# Altium PCB 10515.0461_全联供输出板(2拼版)_V1.0.PcbDoc (part 3 of 9)
Units mm, origin at the board's own origin, x right, y up, seen from the top; angles counter-clockwise.
Board outline 283.88 x 134.8 mm, 2 copper layers (Top Layer, Bottom Layer); 298 components, 0 nets, 1264 pads, 970 vias.
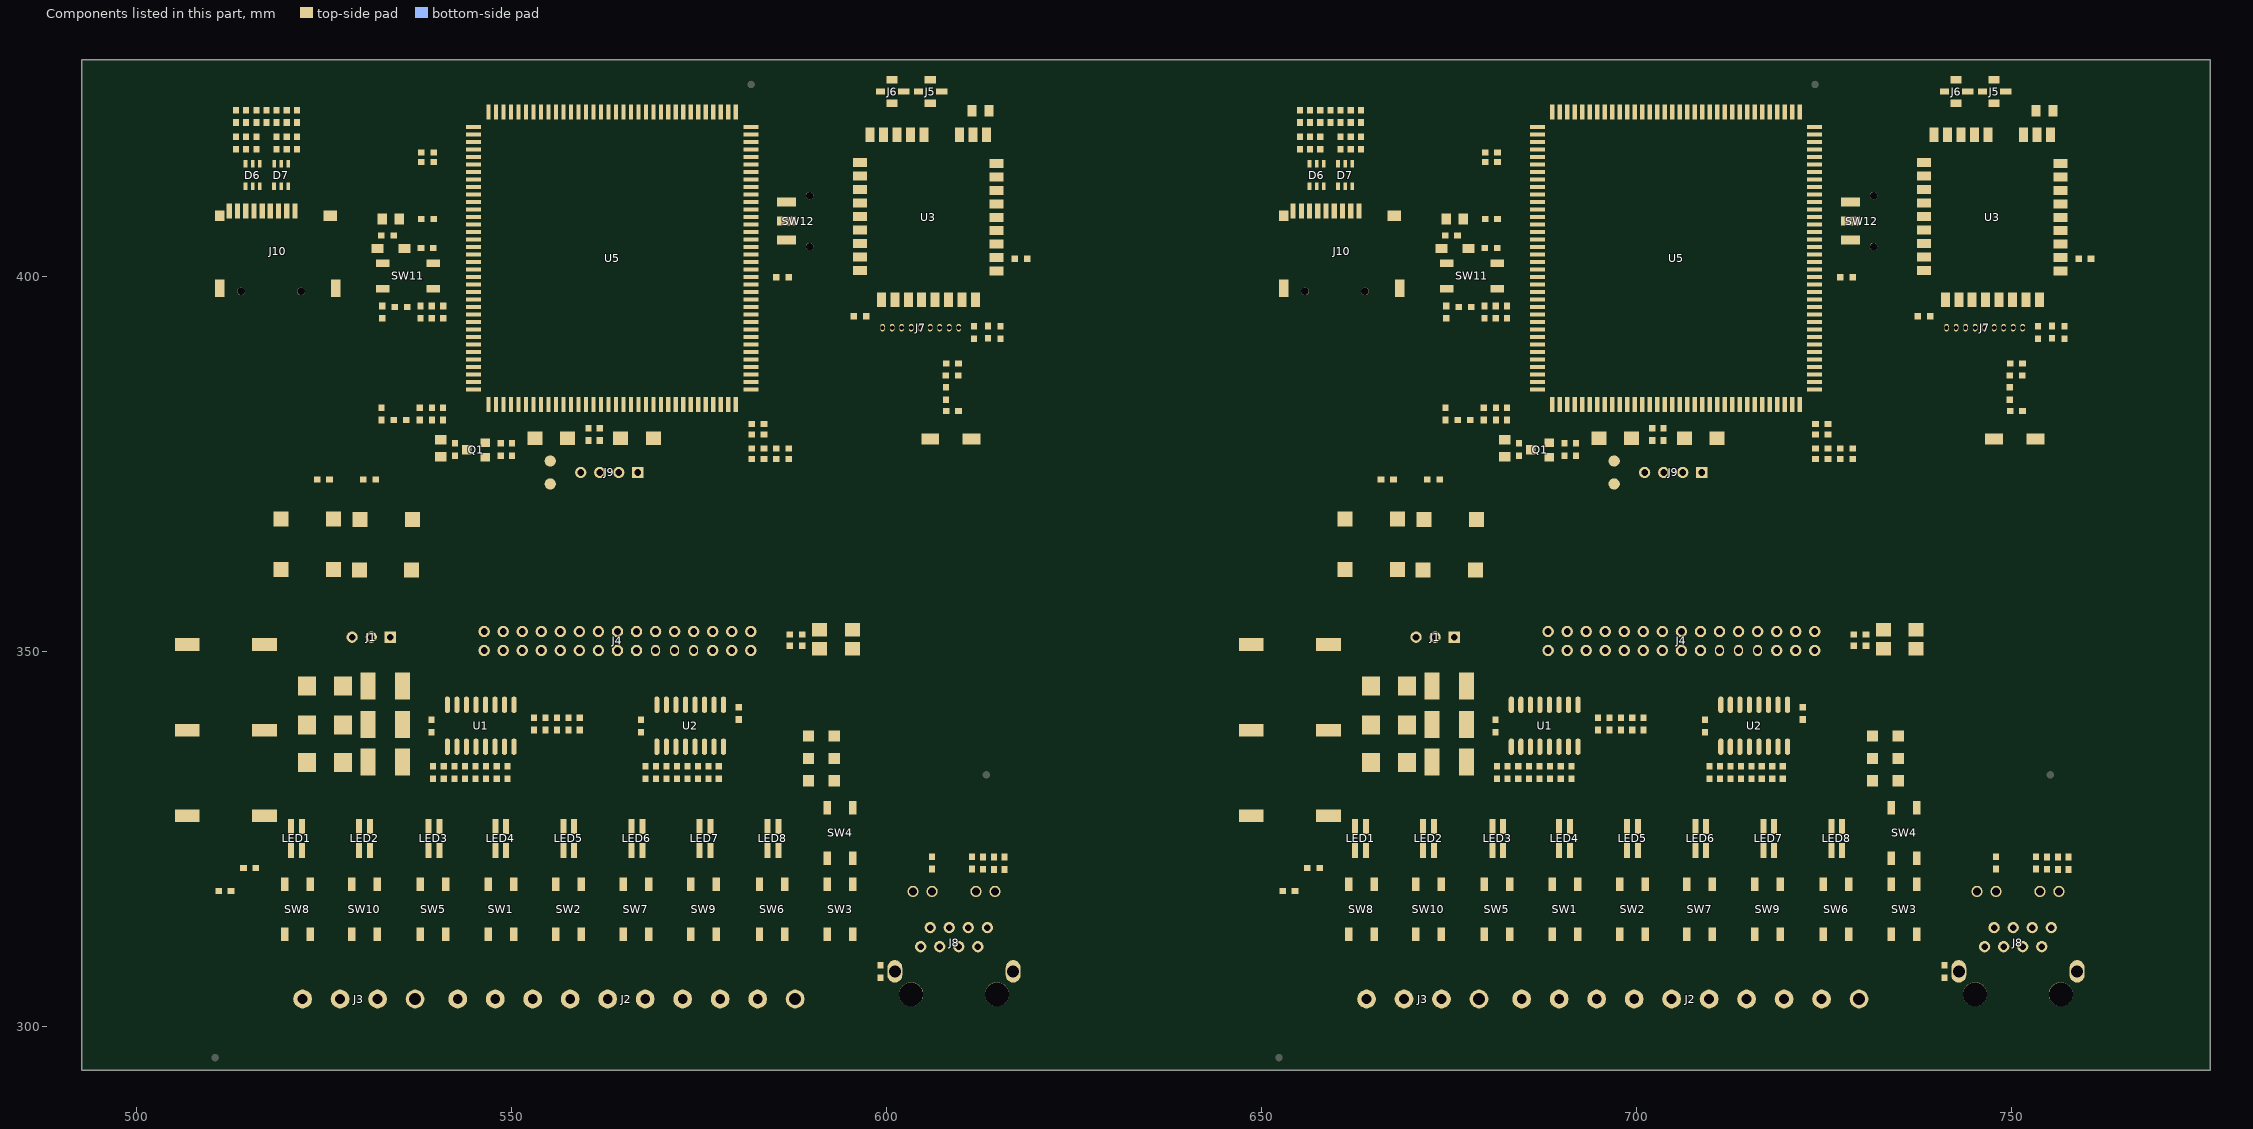
[diagram p3: the components of this part, seen from the top]

## Via types
v1: diameter 0.7, hole 0.4, Top Layer to Bottom Layer, tented both sides, 970 vias

## Nets (pads, with @x,y where several pads share a name; then routed paths per layer and width w, separated by ;. In a path a pad name is that pad's centre, name@x,y a point inside that pad or via, vN(x,y) a via of type N, cw(c..) or ccw(c..) an arc to the next point about the centre after c; other vN are vias at no path point) (continued)
copper on no net: (continued)
  Top Layer w0.3: 599.439,306.456 cw(c599.821,306.391) 599.821,306.779 ; 599.44,393.139 v1@594.868,393.139 ; 599.504,306.779 599.821,306.779 ; 599.597,308.523 ccw(c599.969,308.151) 599.442,308.151 cw(c600.736,308.151) 599.821,309.065 ; 599.849,306.807 cw(c600.486,306.169) 601.109,306.821 ; 599.855,306.496 cw(c600.442,305.908) 600.928,306.582 ; 600.066,307.024 cw(c600.698,306.391) 601.316,307.038 ; 600.226,306.841 cw(c599.821,306.867) 599.821,306.462 ; 600.327,307.285 599.821,306.779 ; 600.416,393.687 cw(c600.067,393.339) 600.56,393.339 ; 600.456,309.383 599.186,308.113 599.186,308.43 600.202,309.446 602.488,309.446 602.742,309.192 608.965,309.192 609.604,309.831 609.604,310.585 ; 600.467,306.19 ccw(c599.821,305.558) 599.821,306.462 ; 600.71,393.139 600.71,393.393 599.44,394.663 ; 600.761,396.202 cw(c599.999,395.437) 601.079,395.437 ; 601.079,396.871 601.079,395.437 ; 601.397,396.202 ccw(c602.159,395.437) 601.079,395.437 ; 601.874,393.445 ccw(c601.618,393.701) 601.98,393.701 ccw(c602.342,393.701) 602.086,393.445 ; 601.98,393.139 601.98,394.536 601.079,395.437 ; 602.554,396.203 cw(c601.785,395.435) 602.872,395.435 cw(c603.958,395.435) 603.19,396.203 ; 602.872,396.871 602.872,395.295 603.25,394.917 603.25,393.139 ; 603.144,393.445 ccw(c602.888,393.701) 603.25,393.701 ccw(c603.612,393.701) 603.356,393.445 ; 604.346,396.203 cw(c603.927,395.784) 604.52,395.784 ; 604.414,393.445 ccw(c604.158,393.701) 604.52,393.701 ccw(c604.882,393.701) 604.626,393.445 ; 604.52,393.139 604.52,396.726 ; 604.52,395.086 cw(c606.1,395.086) 604.983,396.203 ; 604.52,395.81 cw(c605.376,395.81) 604.771,396.415 ; 604.524,310.585 604.524,315.165 605.282,315.923 607.06,315.923 607.568,316.431 v1(607.568,339.418) ; 605.37,313.549 ccw(c604.345,314.574) 605.794,314.574 ccw(c607.243,314.574) 606.218,313.549 ; 605.62,318.379 ccw(c604.595,319.404) 606.044,319.404 ccw(c607.492,319.403) 606.468,318.379 ; 605.684,393.445 ccw(c605.428,393.701) 605.79,393.701 ccw(c606.152,393.701) 605.896,393.445 ; 605.79,393.139 605.79,394.79 606.457,395.457 ; 605.794,313.125 605.794,314.657 606.298,315.161 607.568,315.161 608.33,315.923 v1(608.33,338.783) ; 605.863,320.72 cw(c605.425,320.282) 606.044,320.282 cw(c606.663,320.282) 606.225,320.72 ; 606.044,317.955 606.044,320.94 ; 606.044,322.591 v1@606.87,322.591 ; 606.144,396.198 cw(c605.426,395.457) 606.457,395.457 ; 606.17,322.591 cw(c606.17,321.891) v1@606.665,322.386 ; 606.225,322.409 cw(c606.663,321.971) 606.663,322.591 cw(c606.663,323.21) 606.225,322.772 ; v1@606.411,325.716 ccw(c606.069,326.058) 606.552,326.058 ccw(c607.035,326.058) v1@606.693,325.716 ; 606.457,396.871 606.457,395.457 ; 606.771,396.198 ccw(c607.489,395.457) 606.457,395.457 ; v1@607.368,341.577 ccw(c606.885,341.577) 607.227,341.918 ccw(c607.568,342.26) v1@607.568,341.777 ; v1@607.427,339.277 cw(c607.085,338.935) 607.568,338.935 cw(c608.051,338.935) v1@607.709,339.277 ; 607.932,396.203 cw(c606.971,395.242) 608.33,395.242 ; v1@608.13,342.212 ccw(c607.647,342.212) 607.989,342.553 ccw(c608.33,342.895) v1@608.33,342.412 ; v1@608.189,338.642 cw(c607.847,338.3) 608.33,338.3 cw(c608.813,338.3) v1@608.471,338.642 ; 608.224,393.445 ccw(c607.968,393.701) 608.33,393.701 ccw(c608.692,393.701) 608.436,393.445 ; 608.25,396.871 608.33,396.791 608.33,393.139 ; 608.33,395.627 cw(c609.144,395.627) 608.568,396.203 ; v1(610.489,323.797) 613.918,323.797 614.299,323.416 614.299,322.541 615.696,322.541 ; v1@610.55,322.588 611.386,322.588 ; v1@610.63,322.386 cw(c611.12,321.896) 611.12,322.588 ; v1@610.63,323.656 cw(c610.972,323.314) 610.972,323.797 cw(c610.972,324.28) v1@610.63,323.938 ; v1(610.997,324.94) 616.585,324.94 616.966,324.559 616.966,318.717 616.204,317.955 614.434,317.955 ; v1@611.138,324.799 cw(c611.48,324.457) 611.48,324.94 cw(c611.48,325.423) v1@611.138,325.081 ; 611.204,320.718 cw(c610.767,320.28) 611.386,320.28 cw(c612.005,320.28) 611.567,320.718 ; 611.204,322.407 ccw(c610.767,321.969) 610.767,322.588 ccw(c610.767,323.207) 611.204,322.77 ; v1@611.237,319.747 ccw(c610.876,320.108) 611.386,320.108 ; v1@611.386,319.614 611.386,320.937 614.251,320.937 ; 611.386,320.07 ccw(c611.842,320.07) v1@611.519,319.747 ; 611.431,322.543 612.825,322.543 ; 611.486,418.871 611.486,418.989 ; 611.567,320.756 cw(c612.005,320.318) 612.005,320.937 cw(c612.005,321.556) 611.567,321.119 ; 611.567,322.369 cw(c611.987,321.948) 611.987,322.543 ; 611.567,322.731 ccw(c612.022,323.186) 612.022,322.543 ; 611.72,311.009 ccw(c610.695,312.034) 612.144,312.034 ccw(c613.593,312.034) 612.568,311.009 ; 611.99,318.821 ccw(c612.484,318.328) 611.894,317.955 611.894,318.725 612.521,319.352 ; 612.148,318.115 cw(c612.809,318.533) 612.256,319.087 ; 612.189,320.937 cw(c612.189,320.294) 612.644,320.749 ; 612.223,320.937 ccw(c612.223,321.532) 612.644,321.111 ; 612.401,318.276 cw(c613.134,318.739) 612.521,319.352 ; 612.644,322.362 ccw(c612.206,321.924) 612.206,322.543 ccw(c612.206,323.162) 612.644,322.724 ; 613.006,320.749 cw(c613.461,320.294) 613.461,320.937 ; 613.006,321.111 ccw(c613.427,321.532) 613.427,320.937 ; 613.657,320.937 cw(c613.657,320.286) 614.118,320.746 ; 613.703,320.937 ccw(c613.703,321.524) 614.118,321.109 ; 614.118,322.76 ccw(c613.68,323.198) 614.299,323.198 ccw(c614.918,323.198) 614.48,322.76 ; 614.48,322.359 cw(c614.918,321.922) 614.918,322.541 cw(c614.918,323.16) 614.48,322.722 ; 614.636,404.271 614.68,404.271 ; 615.369,393.148 cw(c615.807,392.71) 615.807,393.33 cw(c615.807,393.949) 615.369,393.511 ; 615.369,393.186 cw(c616.175,392.381) 616.175,393.52 ; 615.515,320.67 cw(c615.077,320.232) 615.696,320.232 cw(c616.315,320.232) 615.877,320.67 ; 615.515,322.359 ccw(c615.077,321.922) 615.077,322.541 ccw(c615.077,323.16) 615.515,322.722 ; 615.696,320.89 615.696,319.606 615.442,319.352 612.521,319.352 ; v1@616.563,404.293 v1(616.563,404.315) ; 616.905,402.471 617.043,402.333 617.347,402.029 617.347,393.849 616.827,393.33 614.807,393.33 614.997,393.33 615.188,393.52 616.712,393.52 617.093,393.901 617.093,402.283 ; 617.093,401.683 cw(c617.755,401.683) 617.287,402.152 ; 617.093,401.745 ccw(c616.517,401.745) 616.924,402.152 cw(c615.904,401.131) 617.347,401.131 ; 617.137,402.364 cw(c616.628,401.856) 617.347,401.856 ; 654.054,409.49 ccw(c653.713,409.831) 654.196,409.831 ccw(c654.679,409.831) 654.337,409.49 ; 654.196,408.698 654.196,414.58 654.599,414.983 656.382,414.983 v1@656.382,415.867 ; 654.926,418.822 ccw(c654.488,419.26) 655.107,419.26 ccw(c655.726,419.26) 655.288,418.822 ; 654.926,420.288 cw(c654.488,419.85) 655.107,419.85 cw(c655.726,419.85) 655.288,420.288 ; 654.926,422.378 ccw(c654.488,422.816) 655.107,422.816 ccw(c655.726,422.816) 655.288,422.378 ; v1@654.966,419.414 cw(c654.624,419.072) 655.107,419.072 cw(c655.59,419.072) v1@655.248,419.414 ; v1@654.966,419.696 ccw(c654.624,420.038) 655.107,420.038 ccw(c655.59,420.038) v1@655.248,419.696 ; 655.107,416.952 657.816,416.952 660.526,416.952 663.235,416.952 663.425,416.952 663.87,416.507 v1(663.87,410.538) ; 655.107,418.603 655.107,420.508 ; 655.107,422.159 655.107,425.143 v1(655.361,425.397) ; 655.107,424.301 cw(c656.457,424.301) v1@655.502,425.256 ; 655.107,425.025 cw(c655.733,425.025) v1@655.29,425.468 ; 655.158,409.49 ccw(c654.817,409.831) 655.3,409.831 ccw(c655.782,409.831) 655.441,409.49 ; 655.288,416.77 cw(c655.726,416.332) 655.726,416.952 cw(c655.726,417.571) 655.288,417.133 ; 655.3,408.698 655.3,413.398 655.742,413.84 658.028,413.84 658.282,414.094 658.282,414.983 v1@658.282,415.872 ; v1@656.109,412.81 cw(c655.461,412.162) 656.377,412.162 ; v1@656.114,415.726 cw(c655.466,415.078) 656.382,415.078 ; 656.256,409.49 ccw(c655.915,409.831) 656.398,409.831 ccw(c656.88,409.831) 656.539,409.49 ; 656.28,416.77 ccw(c655.843,416.332) 655.843,416.952 ccw(c655.843,417.571) 656.28,417.133 ; 656.28,418.822 ccw(c655.843,419.26) 656.462,419.26 ccw(c657.081,419.26) 656.643,418.822 ; 656.28,420.288 cw(c655.843,419.85) 656.462,419.85 cw(c657.081,419.85) 656.643,420.288 ; 656.28,422.378 ccw(c655.74,422.918) 656.504,422.918 ; 656.306,411.662 cw(c656.086,411.442) 656.398,411.442 ; v1@656.32,419.414 cw(c655.979,419.072) 656.462,419.072 cw(c656.945,419.072) v1@656.603,419.414 ; v1@656.32,419.696 ccw(c655.979,420.038) 656.462,420.038 ccw(c656.945,420.038) v1@656.603,419.696 ; 656.377,411.983 v1@656.377,412.951 ; 656.398,408.698 656.398,411.835 ; 656.462,418.603 656.462,420.508 ; 656.504,422.201 656.504,423.407 656.504,426.286 657.096,426.878 704.172,426.878 v1(704.637,426.413) ; 656.504,422.713 ccw(c656.978,422.713) 656.643,422.378 ; 656.643,416.77 cw(c657.081,416.332) 657.081,416.952 cw(c657.081,417.571) 656.643,417.133 ; v1@656.871,406.742 ccw(c655.365,408.248) 657.494,408.248 ; v1@657.083,406.53 ccw(c656.09,407.523) 657.494,407.523 ; v1@657.086,415.726 cw(c656.491,415.131) 657.332,415.131 ; 657.295,406.318 ccw(c656.814,406.799) 657.494,406.799 ; 657.332,411.983 657.332,410.853 657.581,410.604 ; 657.332,414.983 v1@657.332,415.811 ; 657.353,407.907 cw(c657.011,407.565) 657.494,407.565 cw(c657.977,407.565) 657.636,407.907 ; 657.494,406.601 657.494,408.698 657.494,409.548 ; 657.635,416.77 ccw(c657.197,416.332) 657.197,416.952 ccw(c657.197,417.571) 657.635,417.133 ; 657.635,418.822 ccw(c657.197,419.26) 657.816,419.26 ccw(c658.435,419.26) 657.998,418.822 ; 657.635,420.288 cw(c657.197,419.85) 657.816,419.85 cw(c658.435,419.85) 657.998,420.288 ; 657.635,422.378 ccw(c657.197,422.816) 657.816,422.816 ccw(c658.435,422.816) 657.998,422.378 ; v1@657.675,419.414 cw(c657.333,419.072) 657.816,419.072 cw(c658.299,419.072) v1@657.958,419.414 ; v1@657.675,419.696 ccw(c657.333,420.038) 657.816,420.038 ccw(c658.299,420.038) v1@657.958,419.696 ; v1@657.804,410.489 ccw(c657.581,410.332) 657.581,410.604 ; v1@657.804,410.719 cw(c657.581,410.876) 657.581,410.604 ; 657.816,418.603 657.816,420.508 ; 657.816,422.159 657.816,425.947 658.193,426.324 703.456,426.324 704.765,425.015 704.765,421.91 ; v1@657.84,410.604 657.581,410.604 ; 657.998,416.77 cw(c658.435,416.332) 658.435,416.952 cw(c658.435,417.571) 657.998,417.133 ; v1@658.058,415.726 cw(c657.516,415.184) 658.282,415.184 ; 658.282,411.983 658.846,411.983 ; 658.451,409.49 ccw(c657.496,410.444) 658.846,410.444 ; 658.663,409.277 ccw(c658.221,409.72) 658.846,409.72 ; 658.846,408.698 658.846,411.983 ; 658.99,420.288 cw(c658.552,419.85) 659.171,419.85 cw(c659.79,419.85) 659.352,420.288 ; 658.99,422.378 ccw(c658.552,422.816) 659.171,422.816 ccw(c659.79,422.816) 659.352,422.378 ; v1@659.03,415.726 cw(c658.688,415.384) 659.171,415.384 cw(c659.654,415.384) v1@659.312,415.726 ; v1@659.03,418.045 ccw(c658.688,418.387) 659.171,418.387 ccw(c659.654,418.387) v1@659.312,418.045 ; v1(659.044,425.397) 659.417,425.77 702.613,425.77 703.765,424.618 703.765,421.91 ; v1@659.044,425.597 ccw(c659.044,426.08) 659.385,425.738 ccw(c659.727,425.397) v1@659.244,425.397 ; v1@659.171,415.872 659.171,412.308 658.846,411.983 ; v1(659.171,417.904) 659.171,420.508 ; 659.171,422.159 659.171,423.492 659.933,424.254 701.384,424.254 701.765,423.873 701.765,421.91 ; 659.552,408.837 v1@659.552,410.538 ; 659.552,409.815 cw(c660.468,409.815) v1@659.82,410.463 ; 659.552,410.167 ccw(c660.51,410.167) 659.833,409.49 ; v1@660.046,413.699 cw(c659.704,413.357) 660.187,413.357 cw(c660.67,413.357) v1@660.328,413.699 ; 660.116,411.662 cw(c659.332,410.878) 660.441,410.878 ; v1(660.187,413.84) 660.187,411.983 660.441,411.729 660.441,410.157 660.79,409.807 ; 660.328,411.874 cw(c660.057,411.603) 660.441,411.603 ; 660.344,416.77 ccw(c659.907,416.332) 659.907,416.952 ccw(c659.907,417.571) 660.344,417.133 ; 660.344,418.822 ccw(c659.907,419.26) 660.526,419.26 ccw(c661.145,419.26) 660.707,418.822 ; 660.344,420.288 cw(c659.907,419.85) 660.526,419.85 cw(c661.145,419.85) 660.707,420.288 ; 660.344,422.378 ccw(c659.907,422.816) 660.526,422.816 ccw(c661.145,422.816) 660.707,422.378 ; v1@660.384,419.414 cw(c660.043,419.072) 660.526,419.072 cw(c661.009,419.072) v1@660.667,419.414 ; v1@660.384,419.696 ccw(c660.043,420.038) 660.526,420.038 ccw(c661.009,420.038) v1@660.667,419.696 ; v1@660.384,423.266 cw(c660.043,422.924) 660.526,422.924 cw(c661.009,422.924) v1@660.667,423.266 ; 660.526,418.603 660.526,420.508 ; 660.526,422.159 v1(660.526,423.407) ; 660.654,409.495 ccw(c660.363,409.807) 660.79,409.807 ; 660.674,409.924 cw(c660.146,409.397) 660.89,409.341 ; 660.707,416.77 cw(c661.145,416.332) 661.145,416.952 cw(c661.145,417.571) 660.707,417.133 ; 660.79,408.698 660.79,409.807 ; 660.927,409.495 cw(c661.218,409.807) 660.79,409.807 ; v1@660.935,413.346 ccw(c660.434,413.847) 661.142,413.847 ; v1(660.949,425.016) 702.097,425.016 702.765,424.348 702.765,421.91 ; v1@661.09,424.875 cw(c661.432,424.533) 661.432,425.016 cw(c661.432,425.499) v1@661.09,425.157 ; v1@661.142,410.604 661.142,411.983 ; 661.142,411.168 ccw(c661.833,411.168) v1@661.344,410.679 ; v1@661.142,413.271 661.142,414.983 ; 661.699,416.77 ccw(c661.261,416.332) 661.261,416.952 ccw(c661.261,417.571) 661.699,417.133 ; 661.699,418.822 ccw(c661.261,419.26) 661.88,419.26 ccw(c662.499,419.26) 662.062,418.822 ; 661.699,420.288 cw(c661.261,419.85) 661.88,419.85 cw(c662.499,419.85) 662.062,420.288 ; 661.699,422.378 ccw(c661.261,422.816) 661.88,422.816 ccw(c662.499,422.816) 662.062,422.378 ; v1@661.739,419.414 cw(c661.397,419.072) 661.88,419.072 cw(c662.363,419.072) v1@662.022,419.414 ; v1@661.739,419.696 ccw(c661.397,420.038) 661.88,420.038 ccw(c662.363,420.038) v1@662.022,419.696 ; v1@661.739,423.308 cw(c661.397,422.967) 661.88,422.967 cw(c662.363,422.967) v1@662.022,423.308 ; 661.746,409.488 ccw(c660.909,410.324) 662.092,410.324 ; 661.88,418.603 661.88,420.508 ; 661.88,422.159 v1(661.88,423.45) ; 661.887,408.696 661.887,409.444 662.092,409.649 662.092,411.983 v1(662.092,413.586) ; v1@661.951,413.445 cw(c661.609,413.103) 662.092,413.103 cw(c662.575,413.103) v1@662.233,413.445 ; v1@661.951,415.731 cw(c661.609,415.389) 662.092,415.389 cw(c662.575,415.389) v1@662.233,415.731 ; 662.062,416.77 cw(c662.499,416.332) 662.499,416.952 cw(c662.499,417.571) 662.062,417.133 ; 662.092,414.633 cw(c662.092,413.788) 662.689,414.386 ; v1(662.092,415.872) 662.092,414.983 662.987,414.088 662.987,408.698 ; 662.296,327.393 ccw(c661.869,327.82) 662.473,327.82 ccw(c663.077,327.82) 662.65,327.393 ; 662.473,326.235 662.473,330.782 663.165,331.474 681.072,331.474 681.396,331.798 681.396,333.005 ; v1(662.473,427.683) 662.592,427.564 704.629,427.564 705.765,426.428 705.765,421.91 ; v1@662.614,427.824 ccw(c663.243,428.453) 663.243,427.564 ; 662.845,409.49 ccw(c662.504,409.831) 662.987,409.831 ccw(c663.469,409.831) 663.128,409.49 ; 663.054,416.77 ccw(c662.616,416.332) 662.616,416.952 ccw(c662.616,417.571) 663.054,417.133 ; 663.054,418.822 ccw(c662.616,419.26) 663.235,419.26 ccw(c663.854,419.26) 663.416,418.822 ; 663.054,420.288 cw(c662.616,419.85) 663.235,419.85 cw(c663.854,419.85) 663.416,420.288 ; 663.054,422.378 ccw(c662.616,422.816) 663.235,422.816 ccw(c663.854,422.816) 663.416,422.378 ; v1@663.094,419.414 cw(c662.752,419.072) 663.235,419.072 cw(c663.718,419.072) v1@663.376,419.414 ; v1@663.094,419.696 ccw(c662.752,420.038) 663.235,420.038 ccw(c663.718,420.038) v1@663.376,419.696 ; v1@663.094,423.351 cw(c662.752,423.009) 663.235,423.009 cw(c663.718,423.009) v1@663.376,423.351 ; 663.235,418.603 663.235,420.508 ; 663.235,422.159 v1(663.235,423.492) ; v1@663.729,410.679 ccw(c663.387,411.021) 663.87,411.021 ccw(c664.353,411.021) v1@664.011,410.679 ; 663.756,327.368 ccw(c663.329,327.795) 663.933,327.795 ccw(c664.537,327.795) 664.11,327.368 ; v1(663.87,428.318) 705.399,428.318 706.765,426.952 706.765,421.91 ; 663.933,326.21 663.933,330.21 664.643,330.92 682.55,330.92 682.811,331.181 682.811,333.005 ; 664.986,312.243 v1(668.823,312.243) ; 665.233,311.995 cw(c665.831,311.398) 665.831,312.243 cw(c665.831,313.088) 665.233,312.49 ; v1@668.682,312.101 ccw(c668.34,311.76) 668.34,312.243 ccw(c668.34,312.726) v1@668.682,312.384 ; 670.025,309.192 670.533,309.7 ; 670.285,311.595 cw(c669.688,310.998) 670.533,310.998 cw(c671.378,310.998) 670.78,311.595 ; 670.285,319.59 ccw(c669.688,320.188) 670.533,320.188 ccw(c671.378,320.188) 670.78,319.59 ; v1@670.392,320.286 cw(c670.05,319.944) 670.533,319.944 cw(c671.016,319.944) v1@670.674,320.286 ; 670.533,309.26 670.533,309.7 ; 670.533,312.243 670.533,309.7 ; 670.533,318.943 v1(670.533,320.427) ; 670.982,309.251 670.533,309.7 ; 671.368,327.393 ccw(c670.941,327.82) 671.544,327.82 ccw(c672.148,327.82) 671.721,327.393 ; 671.544,326.235 671.544,329.82 672.09,330.366 683.901,330.366 684.226,330.691 684.226,333.005 ; 672.828,327.368 ccw(c672.401,327.795) 673.004,327.795 ccw(c673.608,327.795) 673.181,327.368 ; 673.004,326.21 673.004,329.248 673.568,329.812 685.252,329.812 685.641,330.201 685.641,333.005 ; 673.685,319.59 ccw(c673.088,320.188) 673.933,320.188 ccw(c674.778,320.188) 674.18,319.59 ; 673.933,318.943 673.933,321.541 674.376,321.984 692.029,321.984 692.388,322.343 692.388,334.916 693.588,336.116 702.986,336.116 703.359,336.489 703.359,346.608 703.446,346.695 703.446,350.086 ; v1(675.046,321.003) 675.473,321.43 692.258,321.43 692.942,322.114 692.942,334.2 693.969,335.227 703.367,335.227 703.913,335.773 703.913,346.378 704.764,347.229 704.764,351.404 705.986,352.626 ; v1@675.046,321.203 ccw(c675.046,321.686) 675.387,321.344 ccw(c675.729,321.003) v1@675.246,321.003 ; v1(675.3,312.243) 679.683,312.243 ; v1@675.441,312.101 cw(c675.783,311.76) 675.783,312.243 cw(c675.783,312.726) v1@675.441,312.384 ; 679.436,311.995 ccw(c678.838,311.398) 678.838,312.243 ccw(c678.838,313.088) 679.436,312.49 ; 679.589,403.938 ccw(c679.151,404.376) 679.77,404.376 ccw(c680.389,404.376) 679.952,403.938 ; 679.627,415.056 cw(c679.189,414.618) 679.808,414.618 cw(c680.428,414.618) 679.99,415.056 ; 679.627,415.418 ccw(c679.189,415.856) 679.808,415.856 ccw(c680.428,415.856) 679.99,415.418 ; 679.627,416.326 cw(c679.189,415.888) 679.808,415.888 cw(c680.428,415.888) 679.99,416.326 ; 679.683,319.544 681.015,320.876 692.572,320.876 693.496,321.8 693.496,333.484 694.477,334.465 703.748,334.465 704.467,335.184 704.467,346.149 705.986,347.668 705.986,350.086 ; 679.683,319.693 ccw(c679.683,320.051) 679.937,319.798 ; 679.77,403.757 679.77,405.61 680.07,405.91 686.765,405.91 ; 679.808,416.507 679.808,414.158 680.126,413.84 682.666,413.84 683.736,414.91 686.765,414.91 688.327,414.91 688.635,414.602 688.635,385.91 ; 680.033,319.343 cw(c681.365,319.343) 680.423,320.284 ; 680.616,326.616 680.616,328.859 681.015,329.258 686.603,329.258 687.057,329.712 687.057,333.005 ; 680.616,328.17 ccw(c681.715,328.17) 680.938,327.393 ; 681.215,332.785 cw(c680.777,332.347) 681.396,332.347 cw(c682.015,332.347) 681.577,332.785 ; 681.236,334.894 ccw(c680.969,335.227) 681.396,335.227 ; 681.24,403.938 ccw(c680.802,404.376) 681.421,404.376 ccw(c682.04,404.376) 681.603,403.938 ; 681.352,334.694 cw(c682.535,334.694) 681.699,335.53 ; 681.396,334.656 681.396,335.227 ; 681.421,403.757 681.421,404.467 681.864,404.91 686.765,404.91 688.548,404.91 ; 681.459,407.617 682.166,406.91 686.765,406.91 ; 681.459,415.237 682.539,415.237 683.212,415.91 686.765,415.91 ; 681.459,416.507 681.862,416.91 686.765,416.91 ; 681.467,416.538 cw(c682.365,415.639) 682.365,416.91 ; 681.498,407.361 cw(c681.498,406.834) 681.87,407.206 ; 681.556,334.894 cw(c681.823,335.227) 681.396,335.227 ; 681.652,334.694 cw(c683.559,334.694) 682.211,336.042 ; 681.679,415.056 cw(c682.117,414.618) 682.117,415.237 cw(c682.117,415.856) 681.679,415.418 ; 681.679,416.326 cw(c683.09,414.915) 683.09,416.91 ; 681.754,407.617 ccw(c682.465,407.617) 681.962,407.114 ; 682.076,326.591 682.076,328.287 682.412,328.623 688,328.623 688.472,329.095 688.472,333.005 ; 682.076,328.145 ccw(c683.175,328.145) 682.398,327.368 ; 682.63,332.785 cw(c682.192,332.347) 682.811,332.347 cw(c683.43,332.347) 682.992,332.785 ; 682.63,334.875 ccw(c681.01,336.495) 683.301,336.495 ; 682.811,334.656 683.301,335.145 ; 682.816,334.95 ccw(c682.829,335.617) 683.301,335.145 ; 682.842,334.663 ccw(c681.734,335.771) 683.301,335.771 ; 683.054,334.451 ccw(c682.458,335.047) 683.301,335.047 ; 683.068,334.694 cw(c683.595,334.694) 683.222,335.066 ; 683.083,312.243 688.732,312.243 ; 683.16,336.368 cw(c682.818,336.026) 683.301,336.026 cw(c683.784,336.026) 683.442,336.368 ; 683.301,337.259 683.301,335.145 ; 683.331,311.995 cw(c683.928,311.398) 683.928,312.243 cw(c683.928,313.088) 683.331,312.49 ; 684.045,332.785 cw(c683.607,332.347) 684.226,332.347 cw(c684.845,332.347) 684.408,332.785 ; 684.045,334.875 ccw(c682.775,336.145) 684.571,336.145 ; 684.226,334.656 684.571,335 684.571,337.259 ; 684.257,334.663 ccw(c683.499,335.421) 684.571,335.421 ; 684.43,336.368 cw(c684.088,336.026) 684.571,336.026 cw(c685.054,336.026) 684.712,336.368 ; 684.43,341.956 cw(c684.088,341.614) 684.571,341.614 cw(c685.054,341.614) 684.712,341.956 ; 684.571,342.847 684.571,340.561 682.285,338.275 682.285,336.116 681.396,335.227 ; 685.46,332.785 cw(c685.022,332.347) 685.641,332.347 cw(c686.26,332.347) 685.823,332.785 ; 685.46,334.875 ccw(c684.541,335.794) 685.841,335.794 ; 685.672,334.663 ccw(c685.265,335.07) 685.841,335.07 ; 685.7,336.368 cw(c685.358,336.026) 685.841,336.026 cw(c686.324,336.026) 685.982,336.368 ; 685.841,334.855 685.841,337.259 ; 685.952,404.822 ccw(c685.738,404.608) 685.738,404.91 ccw(c685.738,405.212) 685.952,404.998 ; 685.952,405.822 ccw(c685.738,405.608) 685.738,405.91 ccw(c685.738,406.212) 685.952,405.998 ; 685.952,406.822 ccw(c685.738,406.608) 685.738,406.91 ccw(c685.738,407.212) 685.952,406.998 ; 685.952,414.822 ccw(c685.738,414.608) 685.738,414.91 ccw(c685.738,415.212) 685.952,414.998 ; 685.952,415.822 ccw(c685.738,415.608) 685.738,415.91 ccw(c685.738,416.212) 685.952,415.998 ; 685.952,416.822 ccw(c685.738,416.608) 685.738,416.91 ccw(c685.738,417.212) 685.952,416.998 ; v1@686.476,382.471 686.476,383.36 ; 686.476,383.233 686.476,383.36 ; 686.476,383.911 cw(c687.764,383.911) 686.853,384.822 ccw(c687.067,384.608) 686.765,384.608 ccw(c686.463,384.608) 686.677,384.822 ; 686.476,384.635 cw(c687.04,384.635) 686.641,385.034 ; 686.536,384.69 cw(c686.765,384.461) 686.765,384.785 ; v1@686.547,382.527 ccw(c686.02,383.054) 686.765,383.054 ; 686.558,384.712 ccw(c686.36,384.91) 686.64,384.91 ; v1@686.603,382.471 686.765,382.633 686.765,384.91 ; v1@686.617,382.739 cw(c686.959,383.081) 686.476,383.081 cw(c685.993,383.081) 686.335,382.739 ccw(c685.295,383.779) 686.765,383.779 ; 686.765,385.91 688.635,385.91 ; 686.765,388.91 688.597,388.91 ; 686.765,391.91 688.594,391.91 ; 686.765,394.91 688.628,394.91 ; 686.765,397.91 688.563,397.91 ; 686.875,332.785 cw(c686.438,332.347) 687.057,332.347 cw(c687.676,332.347) 687.238,332.785 ; 686.875,334.875 ccw(c686.306,335.444) 687.111,335.444 ; 686.97,336.368 cw(c686.628,336.026) 687.111,336.026 cw(c687.594,336.026) 687.252,336.368 ; 687.111,334.71 687.111,337.259 ; 687.111,335.181 ccw(c687.544,335.181) 687.238,334.875 ; 687.578,384.822 cw(c687.792,384.608) 687.792,384.91 cw(c687.792,385.212) 687.578,384.998 ; 687.578,385.822 cw(c687.792,385.608) 687.792,385.91 cw(c687.792,386.212) 687.578,385.998 ; 687.578,388.822 cw(c687.792,388.608) 687.792,388.91 cw(c687.792,389.212) 687.578,388.998 ; 687.578,391.822 cw(c687.792,391.608) 687.792,391.91 cw(c687.792,392.212) 687.578,391.998 ; 687.578,394.822 cw(c687.792,394.608) 687.792,394.91 cw(c687.792,395.212) 687.578,394.998 ; 687.578,397.822 cw(c687.792,397.608) 687.792,397.91 cw(c687.792,398.212) 687.578,397.998 ; 687.578,404.822 cw(c687.792,404.608) 687.792,404.91 cw(c687.792,405.212) 687.578,404.998 ; 687.578,414.822 cw(c687.792,414.608) 687.792,414.91 cw(c687.792,415.212) 687.578,414.998 ; 688.24,336.368 cw(c687.898,336.026) 688.381,336.026 cw(c688.864,336.026) 688.522,336.368 ; 688.24,343.738 ccw(c687.898,344.08) 688.381,344.08 ccw(c688.864,344.08) 688.522,343.738 ; v1@688.24,344.23 cw(c687.898,343.888) 688.381,343.888 cw(c688.864,343.888) v1@688.522,344.23 ; 688.254,380.82 688.762,381.328 688.762,381.455 ; 688.29,332.785 cw(c687.853,332.347) 688.472,332.347 cw(c689.091,332.347) 688.653,332.785 ; 688.29,334.875 ccw(c688.072,335.094) 688.381,335.094 ; 688.381,334.746 688.381,337.259 ; 688.381,335.532 ccw(c689.31,335.532) 688.653,334.875 ; 688.381,342.847 v1(688.381,344.371) ; 688.485,311.995 ccw(c687.887,311.398) 687.887,312.243 ccw(c687.887,313.088) 688.485,312.49 ; 688.677,382.097 cw(c688.47,381.89) 688.762,381.89 ; 688.732,318.943 688.732,319.322 689.732,320.322 692.907,320.322 694.05,321.465 694.05,333.149 694.477,333.576 698.16,333.576 703.875,333.576 705.021,334.722 705.021,345.919 707.152,348.05 707.152,351.252 708.526,352.626 ; 688.732,319.693 ccw(c688.732,320.588) 689.365,319.955 ; 688.762,381.201 688.762,381.455 ; 688.762,381.876 cw(c689.074,381.876) 688.853,382.097 ; 688.765,382.91 688.762,382.907 688.762,381.455 ; 688.775,381.214 689.765,381.214 ; 689.082,319.343 cw(c689.877,319.343) 689.315,319.905 ; 689.51,336.368 cw(c689.168,336.026) 689.651,336.026 cw(c690.134,336.026) 689.792,336.368 ; 689.51,343.738 ccw(c689.168,344.08) 689.651,344.08 ccw(c690.134,344.08) 689.792,343.738 ; 689.511,327.393 ccw(c688.602,328.301) 689.887,328.301 ; 689.651,334.891 689.651,337.259 ; 689.651,335.158 ccw(c690.351,335.158) 689.856,334.663 ; 689.651,335.882 ccw(c691.075,335.882) 690.068,334.875 ; 689.651,342.847 689.651,344.752 v1(690.159,345.26) ; 689.687,327.317 689.687,326.616 689.887,326.816 689.887,333.005 ; 689.706,332.785 cw(c689.268,332.347) 689.887,332.347 cw(c690.506,332.347) 690.068,332.785 ; 689.723,327.181 ccw(c689.326,327.577) 689.887,327.577 ; 689.765,380.82 689.863,380.722 690.765,380.722 690.765,382.91 ; v1@689.959,345.26 cw(c689.476,345.26) 689.818,344.919 cw(c690.159,344.577) v1@690.159,345.06 ; v1@690.526,385.769 ccw(c690.184,385.427) 690.184,385.91 ccw(c690.184,386.393) v1@690.526,386.051 ; 690.677,382.097 cw(c690.463,381.883) 690.765,381.883 cw(c691.067,381.883) 690.853,382.097 ; 690.78,336.368 cw(c690.438,336.026) 690.921,336.026 cw(c691.404,336.026) 691.062,336.368 ; v1@690.808,385.769 cw(c691.15,385.427) 691.15,385.91 cw(c691.15,386.393) v1@690.808,386.051 ; 690.921,335.036 690.921,337.259 ; 690.921,335.508 ccw(c692.117,335.508) 691.271,334.663 ; 690.921,336.232 ccw(c692.841,336.232) 691.483,334.875 ; 690.971,327.368 ccw(c690.17,328.168) 691.302,328.168 ; 691.121,332.785 cw(c690.683,332.347) 691.302,332.347 cw(c691.921,332.347) 691.483,332.785 ; 691.147,327.254 691.147,326.591 691.302,326.746 691.302,333.005 ; 692.132,312.243 697.781,312.243 697.781,311.73 ; 692.132,318.531 694.604,321.003 694.604,332.433 694.985,332.814 704.383,332.814 705.575,334.006 705.575,345.69 708.526,348.641 708.526,350.086 ; 692.38,311.995 cw(c692.977,311.398) 692.977,312.243 cw(c692.977,313.088) 692.38,312.49 ; v1@693.447,313.143 ccw(c693.105,313.485) 693.588,313.485 ccw(c694.071,313.485) v1@693.729,313.143 ; v1(693.588,313.002) 693.588,319.204 695.158,320.774 695.158,331.463 695.755,332.06 705.026,332.06 706.129,333.163 706.129,345.461 709.717,349.049 709.717,353.515 709.328,353.904 704.518,353.904 ; v1@694.336,313.651 ccw(c693.994,313.993) 694.477,313.993 ccw(c694.96,313.993) v1@694.618,313.651 ; v1@694.477,313.637 694.477,319.309 695.763,320.595 695.763,330.925 696.344,331.506 705.488,331.506 706.683,332.701 706.683,345.231 709.298,347.846 713.192,347.846 713.606,348.26 713.606,350.086 ; 694.677,339.262 cw(c694.239,338.824) 694.858,338.824 cw(c695.477,338.824) 695.039,339.262 ; 694.858,336.116 694.858,339.482 ; 694.96,378.407 694.96,378.661 ; v1@695.352,313.143 ccw(c695.01,313.485) 695.493,313.485 ccw(c695.976,313.485) v1@695.634,313.143 ; v1@695.352,385.769 ccw(c695.01,385.427) 695.01,385.91 ccw(c695.01,386.393) v1@695.352,386.051 ; v1(695.493,313.002) 695.493,319.542 696.382,320.431 696.382,330.346 696.988,330.952 705.95,330.952 707.237,332.239 707.237,345.002 709.527,347.292 719.369,347.292 720.004,347.927 720.004,351.308 718.686,352.626 ; v1@695.634,385.769 cw(c695.976,385.427) 695.976,385.91 cw(c695.976,386.393) v1@695.634,386.051 ; 696.201,339.262 cw(c695.763,338.824) 696.382,338.824 cw(c697.001,338.824) 696.563,339.262 ; v1@696.241,313.651 ccw(c695.899,313.993) 696.382,313.993 ccw(c696.865,313.993) v1@696.523,313.651 ; v1@696.241,335.086 ccw(c695.899,334.744) 695.899,335.227 ccw(c695.899,335.71) v1@696.241,335.368 ; v1@696.241,338.416 ccw(c695.899,338.758) 696.382,338.758 ccw(c696.865,338.758) v1@696.523,338.416 ; v1@696.382,313.637 696.382,319.606 697.002,320.226 697.002,329.57 697.83,330.398 706.793,330.398 707.791,331.396 707.791,344.772 709.757,346.738 720.339,346.738 721.226,347.625 721.226,350.086 ; v1(696.382,338.275) 696.382,339.482 ; v1@696.523,335.086 cw(c696.865,334.744) 696.865,335.227 cw(c696.865,335.71) v1@696.523,335.368 ; 697.017,372.438 703.367,372.438 703.621,372.692 ; 697.017,375.359 698.795,375.359 699.328,375.892 699.328,378.09 ; 697.229,372.099 cw(c698.048,371.28) 698.048,372.438 ; 697.441,371.887 cw(c698.772,370.556) 698.772,372.438 ; 697.441,372.735 ccw(c698.159,373.453) 698.159,372.438 ; 697.441,374.935 cw(c698.466,373.91) 698.466,375.359 cw(c698.466,376.808) 697.441,375.783 ; 697.533,311.995 ccw(c696.936,311.398) 696.936,312.243 ccw(c696.936,313.088) 697.533,312.49 ; 697.725,339.262 cw(c697.287,338.824) 697.906,338.824 cw(c698.525,338.824) 698.087,339.262 ; v1@697.765,334.324 ccw(c697.423,333.982) 697.423,334.465 ccw(c697.423,334.948) v1@697.765,334.606 ; v1@697.765,338.416 ccw(c697.423,338.758) 697.906,338.758 ccw(c698.389,338.758) v1@698.047,338.416 ; 697.781,318.943 697.781,319.35 ; v1(697.906,338.275) 697.906,339.482 ; v1@698.047,334.324 cw(c698.389,333.982) 698.389,334.465 cw(c698.389,334.948) v1@698.047,334.606 ; 698.366,352.626 700.906,352.626 ; 698.582,327.393 ccw(c698.155,327.82) 698.759,327.82 ccw(c699.362,327.82) 698.935,327.393 ; 698.625,385.91 ccw(c698.625,386.489) v1@699.035,386.08 ; 698.759,326.235 698.759,326.616 698.759,329.603 699,329.844 708.779,329.844 709.717,330.782 709.717,333.005 ; 698.761,385.91 cw(c698.761,385.523) v1@699.035,385.797 ; v1(698.795,314.272) 700.7,314.272 ; 698.798,377.877 cw(c697.517,376.596) 699.328,376.596 cw(c701.139,376.596) 699.858,377.877 ; 698.799,352.193 cw(c699.843,351.149) 699.843,352.626 cw(c699.843,354.104) 698.799,353.059 ; v1@698.936,314.131 cw(c699.278,313.789) 699.278,314.272 cw(c699.278,314.755) v1@698.936,314.413 ; 699.01,378.089 cw(c698.242,377.321) 699.328,377.321 cw(c700.414,377.321) 699.646,378.089 ; 699.249,339.262 cw(c698.811,338.824) 699.43,338.824 cw(c700.049,338.824) 699.611,339.262 ; v1@699.289,333.435 ccw(c698.947,333.093) 698.947,333.576 ccw(c698.947,334.059) v1@699.289,333.717 ; v1@699.289,338.416 ccw(c698.947,338.758) 699.43,338.758 ccw(c699.913,338.758) v1@699.571,338.416 ; v1@699.317,385.797 cw(c699.591,385.523) 699.591,385.91 ; v1@699.317,386.08 ccw(c699.727,386.489) 699.727,385.91 ; v1(699.43,338.275) 699.43,339.482 ; v1@699.571,333.435 cw(c699.913,333.093) 699.913,333.576 cw(c699.913,334.059) v1@699.571,333.717 ; 700.042,327.368 ccw(c699.615,327.795) 700.219,327.795 ccw(c700.822,327.795) 700.395,327.368 ; 700.219,326.21 700.219,326.591 700.219,329.071 700.438,329.29 710.384,329.29 711.114,330.02 711.114,333.005 ; 700.473,352.193 ccw(c699.428,351.149) 699.428,352.626 ccw(c699.428,354.104) 700.473,353.059 ; 700.677,421.097 cw(c700.463,420.883) 700.765,420.883 cw(c701.067,420.883) 700.853,421.097 ; 700.765,421.91 700.765,418.347 701.202,417.91 719.765,417.91 ; 700.773,339.262 cw(c700.335,338.824) 700.954,338.824 cw(c701.573,338.824) 701.135,339.262 ; v1@700.813,332.673 ccw(c700.471,332.331) 700.471,332.814 ccw(c700.471,333.297) v1@700.813,332.955 ; v1@700.813,338.416 ccw(c700.471,338.758) 700.954,338.758 ccw(c701.437,338.758) v1@701.095,338.416 ; v1(700.954,338.275) 700.954,339.482 ; v1@701.095,332.673 cw(c701.437,332.331) 701.437,332.814 cw(c701.437,333.297) v1@701.095,332.955 ; 701.181,313.891 700.8,314.272 ; 701.181,314.272 700.7,314.272 ; 701.181,314.653 700.8,314.272 ; 701.181,318.943 701.181,319.325 702.26,320.404 714.761,320.404 715.777,319.388 715.777,318.943 ; 701.181,319.693 ccw(c701.181,320.581) 701.809,319.953 ; 701.531,319.343 cw(c702.332,319.343) 701.766,319.91 ; 701.677,383.723 ccw(c701.463,383.937) 701.765,383.937 ccw(c702.067,383.937) 701.853,383.723 ; 701.677,422.723 ccw(c701.463,422.937) 701.765,422.937 ccw(c702.067,422.937) 701.853,422.723 ; 701.69,384.91 686.765,384.91 ; 701.765,382.91 701.765,385.861 ; 701.916,377.87 cw(c701.478,377.432) 702.097,377.432 cw(c702.716,377.432) 702.278,377.87 ; 702.097,375.994 702.097,378.09 ; 702.097,379.741 702.765,380.409 702.765,382.91 ; 702.097,380.035 ccw(c702.097,380.746) 702.6,380.243 ; 702.353,379.779 cw(c702.88,379.779) 702.508,380.151 ; 702.677,382.097 cw(c702.463,381.883) 702.765,381.883 cw(c703.067,381.883) 702.853,382.097 ; 702.677,422.723 ccw(c702.463,422.937) 702.765,422.937 ccw(c703.067,422.937) 702.853,422.723 ; 703.013,349.653 cw(c701.968,348.609) 703.446,348.609 cw(c704.923,348.609) 703.879,349.653 ; 703.28,373.341 cw(c702.832,372.692) 703.621,372.692 ; 703.44,377.87 cw(c703.002,377.432) 703.621,377.432 cw(c704.24,377.432) 703.802,377.87 ; 703.44,379.96 ccw(c702.654,380.745) 703.765,380.745 ; 703.446,352.626 703.446,352.832 704.518,353.904 ; 703.446,353.238 ccw(c703.446,354.218) 704.139,353.525 ; 703.677,382.097 cw(c703.463,381.883) 703.765,381.883 cw(c704.067,381.883) 703.853,382.097 ; 703.677,422.723 ccw(c703.463,422.937) 703.765,422.937 ccw(c704.067,422.937) 703.853,422.723 ; 703.713,378.09 ccw(c703.713,380.984) 705.76,378.937 ; 703.757,352.648 cw(c704.772,352.719) 704.053,353.439 ; 703.765,379.885 703.765,382.91 ; 703.802,377.908 cw(c704.24,377.47) 704.24,378.09 cw(c704.24,378.709) 703.802,378.271 ; 703.962,373.341 ccw(c704.41,372.692) 703.621,372.692 ; 704.056,352.669 cw(c705.641,352.78) 704.518,353.904 ; 704.437,378.09 ccw(c704.437,380.26) 705.972,378.725 ; v1@704.437,426.413 ccw(c703.954,426.413) 704.296,426.754 ccw(c704.637,427.096) v1@704.637,426.613 ; v1@704.624,384.742 cw(c704.282,384.4) 704.765,384.4 cw(c705.248,384.4) v1@704.906,384.742 ; 704.677,383.723 ccw(c704.463,383.937) 704.765,383.937 ccw(c705.067,383.937) 704.853,383.723 ; 704.677,422.723 ccw(c704.463,422.937) 704.765,422.937 ccw(c705.067,422.937) 704.853,422.723 ; 704.677,303.604 704.677,308.095 705.145,308.563 732.329,308.563 734.355,310.589 738.165,310.589 738.8,311.224 738.8,330.909 738.292,331.417 731.815,331.417 731.46,331.772 ; 704.765,382.91 v1(704.765,384.883) ; 705.161,378.09 ccw(c705.161,379.536) 706.184,378.513 ; 705.246,378.09 cw(c705.246,377.363) 705.76,377.877 ; 705.374,352.626 cw(c703.896,352.626) 704.941,351.581 cw(c705.986,350.536) 705.986,352.014 ; 705.553,349.653 cw(c704.508,348.609) 705.986,348.609 cw(c707.463,348.609) 706.419,349.653 ; 705.677,422.723 ccw(c705.463,422.937) 705.765,422.937 ccw(c706.067,422.937) 705.853,422.723 ; 706.072,378.09 703.621,378.09 703.621,373.835 703.621,372.692 ; 706.677,382.097 cw(c706.463,381.883) 706.765,381.883 cw(c707.067,381.883) 706.853,382.097 ; 706.677,422.723 ccw(c706.463,422.937) 706.765,422.937 ccw(c707.067,422.937) 706.853,422.723 ; 706.765,382.91 706.765,380.724 707.685,379.804 713.4,379.804 713.781,379.423 713.781,376.248 714.416,375.613 723.877,375.613 ; 707.653,327.393 ccw(c707.227,327.82) 707.83,327.82 ccw(c708.434,327.82) 708.007,327.393 ; 707.677,382.097 cw(c707.463,381.883) 707.765,381.883 cw(c708.067,381.883) 707.853,382.097 ; 707.677,421.097 cw(c707.463,420.883) 707.765,420.883 cw(c708.067,420.883) 707.853,421.097 ; 707.765,382.91 707.765,381.248 708.447,380.566 714.035,380.566 714.416,380.185 714.416,377.518 714.924,377.01 723.877,377.01 ; 707.765,417.99 707.765,421.91 ; 707.83,326.235 707.83,326.616 707.83,328.26 708.193,328.623 711.622,328.623 712.511,329.512 712.511,333.005 ; 707.866,417.91 ccw(c707.866,418.806) v1@708.5,418.172 ; 707.914,352.626 cw(c706.436,352.626) 707.481,351.581 cw(c708.526,350.536) 708.526,352.014 ; 708.1,349.646 cw(c707.126,348.641) 708.526,348.641 cw(c709.926,348.641) 708.952,349.646 ; 708.677,382.097 cw(c708.463,381.883) 708.765,381.883 cw(c709.067,381.883) 708.853,382.097 ; 708.765,382.91 708.765,381.518 709.082,381.201 714.924,381.201 715.178,380.947 715.178,378.28 715.559,377.899 v1(729.783,377.899) ; v1@708.783,418.172 ccw(c709.416,418.806) 709.416,417.91 ; 708.899,304.382 ccw(c707.021,306.26) 709.677,306.26 ccw(c712.333,306.26) 710.455,304.382 ; 709.111,304.17 ccw(c707.746,305.535) 709.677,305.535 ccw(c711.608,305.535) 710.243,304.17 ; 709.141,327.392 ccw(c708.921,327.688) 709.29,327.688 ; 709.244,327.171 cw(c709.732,327.38) 709.357,327.755 ; 709.29,326.21 709.29,326.591 709.29,327.688 ; 709.439,327.392 cw(c709.659,327.688) 709.29,327.688 ; 709.496,385.91 ccw(c709.496,388.093) v1@711.04,386.549 ; 709.52,327.289 cw(c710.173,327.567) 709.671,328.069 ; 709.536,332.785 cw(c709.098,332.347) 709.717,332.347 cw(c710.336,332.347) 709.898,332.785 ; 709.536,334.875 ccw(c708.178,336.232) 710.098,336.232 ; 709.677,303.604 709.677,307.715 709.971,308.009 732.558,308.009 734.584,310.035 738.394,310.035 739.354,310.995 739.354,332.154 738.796,332.712 734.889,332.712 ; 709.717,334.656 710.098,335.037 710.098,338.021 712.511,340.434 712.511,342.847 ; 709.748,334.663 ccw(c708.902,335.508) 710.098,335.508 ; 710.22,385.91 ccw(c710.22,387.369) v1@711.252,386.337 ; 710.677,383.723 ccw(c710.463,383.937) 710.765,383.937 ccw(c711.067,383.937) 710.853,383.723 ; 710.765,382.91 710.765,385.815 ; 710.898,386.125 ccw(c711.418,386.645) 711.418,385.91 ; 710.933,332.785 cw(c710.495,332.347) 711.114,332.347 cw(c711.733,332.347) 711.295,332.785 ; 710.933,334.875 ccw(c710.188,335.619) 711.241,335.619 ; 710.945,385.91 ccw(c710.945,386.645) 711.464,386.125 ; 711.1,336.368 cw(c710.758,336.026) 711.241,336.026 cw(c711.724,336.026) 711.382,336.368 ; v1@711.11,386.337 ccw(c712.142,387.369) 712.142,385.91 ; 711.241,334.783 711.241,337.259 ; v1@711.323,386.549 ccw(c712.866,388.093) 712.866,385.91 ; 712.33,332.785 cw(c711.892,332.347) 712.511,332.347 cw(c713.13,332.347) 712.692,332.785 ; 712.33,334.875 ccw(c711.892,335.313) 712.511,335.313 ccw(c713.13,335.313) 712.692,334.875 ; 712.37,336.368 cw(c712.028,336.026) 712.511,336.026 cw(c712.994,336.026) 712.652,336.368 ; 712.37,341.956 cw(c712.028,341.614) 712.511,341.614 cw(c712.994,341.614) 712.652,341.956 ; 712.511,334.656 712.511,337.259 ; 713.288,349.606 cw(c712.52,348.838) 713.606,348.838 cw(c714.692,348.838) 713.924,349.606 ; 713.64,336.368 cw(c713.298,336.026) 713.781,336.026 cw(c714.264,336.026) 713.922,336.368 ; 713.64,343.738 ccw(c713.298,344.08) 713.781,344.08 ccw(c714.264,344.08) 713.922,343.738 ; 713.727,332.785 cw(c713.289,332.347) 713.908,332.347 cw(c714.527,332.347) 714.089,332.785 ; 713.781,334.783 713.781,337.259 ; 713.781,335.619 ccw(c714.834,335.619) 714.089,334.875 ; 713.781,342.847 713.781,345.768 714.162,346.149 723.306,346.149 723.766,346.609 723.766,350.086 ; 713.908,333.005 713.908,328.623 713.354,328.069 709.671,328.069 ; 714.677,303.604 714.677,306.954 715.178,307.455 732.788,307.455 734.814,309.481 738.624,309.481 739.908,310.765 739.908,333.957 739.527,334.338 732.069,334.338 731.46,334.947 731.46,335.697 ; v1@714.783,354.136 cw(c714.441,353.794) 714.924,353.794 cw(c715.407,353.794) v1@715.065,354.136 ; v1@714.783,354.418 ccw(c714.441,354.76) 714.924,354.76 ccw(c715.407,354.76) v1@715.065,354.418 ; v1@714.783,354.771 cw(c714.441,354.429) 714.924,354.429 cw(c715.407,354.429) v1@715.065,354.771 ; 714.91,336.368 cw(c714.568,336.026) 715.051,336.026 cw(c715.534,336.026) 715.192,336.368 ; v1(714.924,354.912) 714.924,351.308 716.146,350.086 ; 715.051,334.91 715.051,337.259 ; 715.051,335.202 ccw(c715.813,335.202) 715.274,334.663 ; 715.051,335.926 ccw(c716.537,335.926) 715.486,334.875 ; 715.101,351.131 ccw(c716.146,352.176) 716.146,350.698 ; 715.124,332.785 cw(c714.686,332.347) 715.305,332.347 cw(c715.924,332.347) 715.486,332.785 ; 715.147,320.018 cw(c714.472,319.343) 715.427,319.343 ; 715.257,319.908 ccw(c715.777,320.428) 715.777,319.693 ; 715.305,333.005 715.305,328.496 715.749,328.052 716.765,328.052 716.902,327.915 716.902,326.616 ; 715.492,350.74 cw(c715.001,350.248) 715.696,350.248 ; 715.613,350.619 ccw(c716.146,351.151) 716.146,350.398 ; 715.677,382.097 cw(c715.463,381.883) 715.765,381.883 cw(c716.067,381.883) 715.853,382.097 ; 715.677,421.097 cw(c715.463,420.883) 715.765,420.883 cw(c716.067,420.883) 715.853,421.097 ; 715.713,353.059 ccw(c714.668,354.104) 716.146,354.104 ccw(c717.623,354.104) 716.579,353.059 ; 715.765,382.91 715.765,379.423 716.273,378.915 723.877,378.915 ; 715.765,417.958 715.765,421.91 ; 716.146,352.626 716.146,354.991 716.956,355.801 731.688,355.801 731.95,356.063 ; 716.18,336.368 cw(c715.838,336.026) 716.321,336.026 cw(c716.804,336.026) 716.462,336.368 ; 716.18,343.738 ccw(c715.838,344.08) 716.321,344.08 ccw(c716.804,344.08) 716.462,343.738 ; v1@716.18,344.103 cw(c715.838,343.761) 716.321,343.761 cw(c716.804,343.761) v1@716.462,344.103 ; 716.321,335.037 716.321,337.259 ; 716.321,335.508 ccw(c717.517,335.508) 716.671,334.663 ; 716.321,336.232 ccw(c718.241,336.232) 716.883,334.875 ; 716.321,342.847 v1(716.321,344.244) ; 716.521,332.785 cw(c716.083,332.347) 716.702,332.347 cw(c717.321,332.347) 716.883,332.785 ; 716.677,382.097 cw(c716.463,381.883) 716.765,381.883 cw(c717.067,381.883) 716.853,382.097 ; 716.702,333.005 716.702,329.893 716.702,328.732 716.829,328.605 717.744,328.605 718.362,327.988 718.362,326.21 ; 716.725,327.393 ccw(c716.298,327.82) 716.902,327.82 ccw(c717.505,327.82) 717.078,327.393 ; 716.765,382.91 716.765,380.63 717.083,380.312 723.877,380.312 ; 716.902,326.235 716.902,326.899 ; 717.45,336.368 cw(c717.108,336.026) 717.591,336.026 cw(c718.074,336.026) 717.732,336.368 ; 717.45,343.738 ccw(c717.108,344.08) 717.591,344.08 ccw(c718.074,344.08) 717.732,343.738 ; v1@717.45,345.119 cw(c717.108,344.777) 717.591,344.777 cw(c718.074,344.777) 717.732,345.119 cw(c718.074,344.777) 718.074,345.26 cw(c718.074,345.743) v1@717.732,345.401 ; 717.591,335.091 ccw(c718.496,335.091) 717.856,334.451 ; 717.591,335.815 ccw(c719.22,335.815) 718.068,334.663 ; 717.591,336.539 ccw(c719.944,336.539) 718.28,334.875 ; 717.591,337.259 717.591,335.164 718.099,334.656 ; 717.591,342.847 v1(717.591,345.26) 724.322,345.26 725.338,346.276 725.338,350.975 724.957,351.356 722.496,351.356 721.226,352.626 ; 717.61,335.144 ccw(c718.08,335.614) 718.094,334.95 ; 717.688,335.066 cw(c717.316,334.694) 717.843,334.694 ; 717.918,332.785 cw(c717.48,332.347) 718.099,332.347 cw(c718.718,332.347) 718.28,332.785 ; 718.074,350.086 ccw(c716.596,350.086) 717.641,351.131 ccw(c718.686,352.176) 718.686,350.698 ; 718.099,333.005 718.099,330.092 718.806,329.385 725.465,329.385 725.973,328.877 725.973,326.235 ; 718.185,327.368 ccw(c717.758,327.795) 718.362,327.795 ccw(c718.965,327.795) 718.538,327.368 ; 718.686,350.086 717.464,351.308 717.464,354.531 717.845,354.912 732.536,354.912 732.536,352.991 ; 718.686,352.014 cw(c718.686,350.536) 719.731,351.581 cw(c720.775,352.626) 719.298,352.626 ; 718.72,336.368 cw(c718.378,336.026) 718.861,336.026 cw(c719.344,336.026) 719.002,336.368 ; 718.861,337.259 718.861,335.608 ; 718.899,304.382 ccw(c717.021,306.26) 719.677,306.26 ccw(c722.333,306.26) 720.455,304.382 ; 719.111,304.17 ccw(c717.746,305.535) 719.677,305.535 ccw(c721.608,305.535) 720.243,304.17 ; 719.24,334.694 ccw(c717.946,334.694) 718.861,335.608 ; 719.315,332.785 cw(c718.877,332.347) 719.496,332.347 cw(c720.115,332.347) 719.677,332.785 ; 719.373,335.096 cw(c718.97,334.694) 719.54,334.694 ; 719.496,333.005 719.496,330.393 719.869,330.02 726.608,330.02 727.433,329.195 727.433,326.21 ; 719.496,334.656 719.496,334.973 718.861,335.608 ; 719.628,385.91 688.635,385.91 ; 719.677,383.723 ccw(c719.463,383.937) 719.765,383.937 ccw(c720.067,383.937) 719.853,383.723 ; 719.677,303.604 719.677,306.447 720.131,306.901 733.017,306.901 735.043,308.927 738.853,308.927 740.462,310.536 740.462,335.227 739.992,335.697 ; 719.765,382.91 719.765,417.91 ; 719.765,386.201 cw(c720.63,386.201) v1@720.018,386.813 ; 719.765,387.707 ccw(c720.63,387.707) v1@720.018,387.096 ; 719.765,412.31 cw(c721.064,412.31) v1@720.145,413.229 ; 719.765,413.035 cw(c720.34,413.035) v1@719.933,413.441 ; 719.765,413.706 ccw(c720.34,413.706) v1@719.933,413.299 ; 719.765,414.43 ccw(c721.064,414.43) v1@720.145,413.512 ; 719.805,399.91 723.765,399.91 727.139,399.91 ; 719.822,390.91 723.765,390.91 ; 719.866,384.91 723.765,384.91 ; 719.87,387.91 723.765,387.91 ; 719.915,408.91 723.765,408.91 ; 720.677,382.097 cw(c720.463,381.883) 720.765,381.883 cw(c721.067,381.883) 720.853,382.097 ; 720.765,382.91 720.765,381.583 721.02,381.328 738.419,381.328 739.332,380.415 739.332,338.886 739.816,338.402 745.023,338.402 745.404,338.021 745.404,317.955 ; 720.793,349.653 cw(c719.748,348.609) 721.226,348.609 cw(c722.703,348.609) 721.659,349.653 ; v1(721.02,344.498) 722.163,344.498 ; v1@721.161,344.357 cw(c721.503,344.015) 721.503,344.498 cw(c721.503,344.981) v1@721.161,344.639 ; 721.226,352.014 cw(c721.226,350.536) 722.271,351.581 cw(c723.315,352.626) 721.838,352.626 ; 721.765,382.91 721.765,382.107 739.164,382.107 739.886,381.385 739.886,339.348 740.197,339.037 748.198,339.037 748.452,338.783 v1(748.452,325.575) ; 721.853,382.273 ccw(c722.255,382.675) 722.255,382.107 ; 721.982,342.749 ccw(c721.544,343.187) 722.163,343.187 ccw(c722.782,343.187) 722.344,342.749 ; 722.099,340.815 v1(723.306,340.815) 723.306,343.482 723.814,343.99 727.116,343.99 727.687,344.562 727.687,349.485 728.669,350.467 ; 722.163,342.657 722.163,344.498 ; 722.344,340.659 cw(c722.721,340.283) 722.721,340.815 ; 722.344,341.022 ccw(c722.843,341.521) 722.843,340.815 ; 722.952,384.822 ccw(c722.738,384.608) 722.738,384.91 ccw(c722.738,385.212) 722.952,384.998 ; 722.952,387.822 ccw(c722.738,387.608) 722.738,387.91 ccw(c722.738,388.212) 722.952,387.998 ; 722.952,390.822 ccw(c722.738,390.608) 722.738,390.91 ccw(c722.738,391.212) 722.952,390.998 ; 722.952,399.822 ccw(c722.738,399.608) 722.738,399.91 ccw(c722.738,400.212) 722.952,399.998 ; 722.952,408.822 ccw(c722.738,408.608) 722.738,408.91 ccw(c722.738,409.212) 722.952,408.998 ; 722.952,417.822 ccw(c722.738,417.608) 722.738,417.91 ccw(c722.738,418.212) 722.952,417.998 ; v1@723.165,340.674 ccw(c722.823,340.332) 722.823,340.815 ccw(c722.823,341.298) 723.165,340.956 ccw(c722.823,341.298) 723.306,341.298 ccw(c723.789,341.298) v1@723.447,340.956 ; 723.333,349.653 cw(c722.288,348.609) 723.766,348.609 cw(c725.243,348.609) 724.199,349.653 ; 723.658,375.432 ccw(c723.22,374.994) 723.22,375.613 ccw(c723.22,376.232) 723.658,375.794 ; 723.658,376.829 ccw(c723.22,376.391) 723.22,377.01 ccw(c723.22,377.629) 723.658,377.191 ; 723.658,378.734 ccw(c723.22,378.296) 723.22,378.915 ccw(c723.22,379.534) 723.658,379.096 ; 723.658,380.131 ccw(c723.22,379.693) 723.22,380.312 ccw(c723.22,380.931) 723.658,380.493 ; 723.766,352.626 725.592,352.626 726.1,352.118 726.1,345.006 725.638,344.544 722.209,344.544 722.163,344.498 ; 723.765,385.91 739.552,385.91 740.44,385.022 740.44,341.035 741.214,340.261 742.737,340.261 743.037,340.261 743.637,340.261 743.856,340.261 744.156,340.261 744.756,340.261 745.356,340.261 745.356,339.661 745.956,339.661 745.956,340.261 748.071,340.261 750.784,340.261 751.073,339.972 751.073,315.969 751.546,315.496 753.713,315.496 754.044,315.165 754.044,310.585 ; 723.765,386.91 740.457,386.91 740.994,386.373 740.994,341.301 741.48,340.815 743.245,340.815 743.545,340.815 744.145,340.815 744.456,340.815 744.756,340.815 745.356,340.815 745.356,341.415 745.956,341.415 745.956,340.815 746.556,340.815 746.556,341.415 747.156,341.415 747.156,340.815 747.817,340.815 751.119,340.815 751.627,340.307 751.627,316.812 752.262,316.177 754.548,316.177 755.314,315.411 755.314,313.125 ; 723.765,388.91 740.489,388.91 741.548,387.851 741.548,342.639 742.102,342.085 748.96,342.085 v1(749.468,341.577) ; 723.765,389.91 741.14,389.91 742.102,388.948 742.102,343.482 742.61,342.974 743.753,342.974 744.053,342.974 744.053,343.65 744.653,343.65 744.653,342.974 746.039,342.974 747.69,342.974 749.468,342.974 v1(750.23,342.212) ; 723.765,406.91 726.045,406.91 726.354,406.601 726.354,405.204 726.735,404.823 728.513,404.823 ; 723.765,407.91 725.885,407.91 726.354,408.379 726.354,409.522 726.735,409.903 728.513,409.903 ; 723.765,417.91 719.765,417.91 ; 724.199,352.193 cw(c725.243,351.149) 725.243,352.626 cw(c725.243,354.104) 724.199,353.059